# Altium PCB Motor-42.PcbDoc (continued)
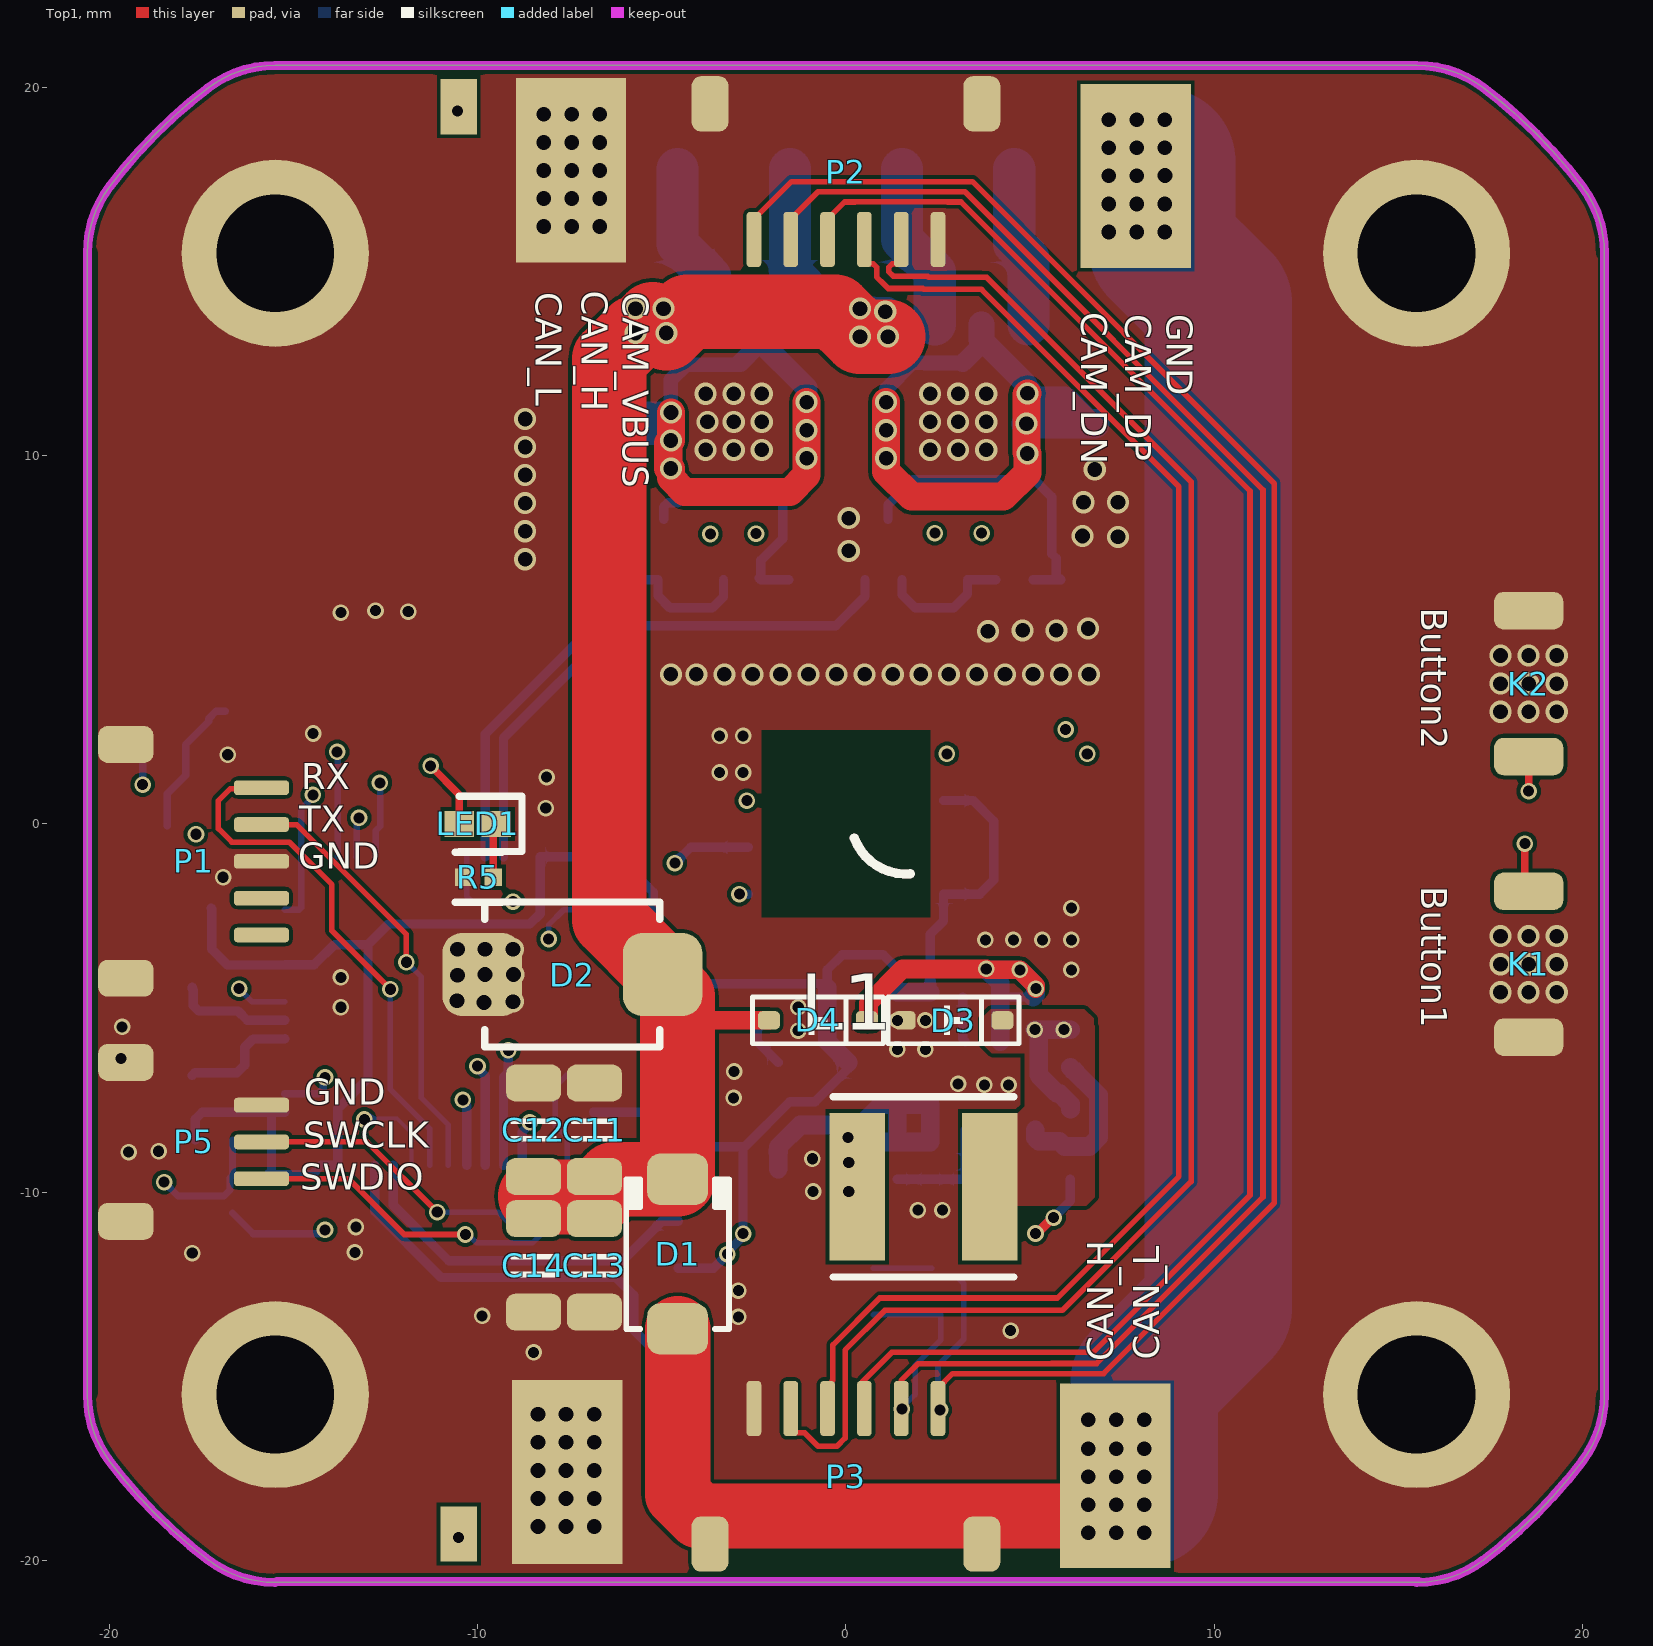
[diagram p0: Top1 view]
## Design rules (kind name [scope] priority, off if disabled: settings)
Clearance [All] p1: gap=0.102 ignorepadtopadclearanceinfootprint=FALSE except(0: Arc-Hole Track-Hole SMDPad-Hole THPad-Hole Via-Hole Fill-Hole Poly-Hole Region-Hole Text-Hole; 0.12: Track-Track; 0.127: SMDPad-SMDPad; 0.2: Track-SMDPad; 0.254: Track-Via Via-Via)
ComponentClearance [All] p1: gap=0 collisioncheckmode=3 verticalgap=0 showdistances=FALSE
DiffPairsRouting [All] p1: maxlimit=0.18 minlimit=0.18 mostfreqgap=0.18 toplayer_minwidth=0.152 toplayer_maxwidth=0.152 toplayer_prefwidth=0.152 midlayer1_minwidth=0.152 midlayer1_maxwidth=0.152 midlayer1_prefwidth=0.152 midlayer2_minwidth=0.152 midlayer2_maxwidth=0.152 midlayer2_prefwidth=0.152 bottomlayer_minwidth=0.152 bottomlayer_maxwidth=0.152 bottomlayer_prefwidth=0.152 maxuncoupledlength=12.7
FanoutControl Fanout_BGA [All] p1: bgadir=Out bgaviamode=Centered fanoutstyle=Auto fanoutdirection=Alternating viagrid=0.025 // Fanout_BGA (Default Rule)
HoleSize [All] p1: absolutevalues=TRUE maxlimit=254 minlimit=0.3 maxpercent=80.000 minpercent=20.000
MinimumSolderMaskSliver [All] p1 off: minsoldermaskwidth=0.051
PlaneClearance [All] p1: clearance=0.203
PlaneConnect [All] p1: planeconnectstyle=Direct reliefexpansion=0.508 reliefentries=4 reliefconductorwidth=0.254 reliefairgap=0.254
PolygonConnect [All] p1: connectstyle=Direct reliefconductorwidth=0.254 reliefentries=4 polygonreliefangle="90 Angle" airgapwidth=0.254
RoutingVias [All] p1: holewidth=0.203 width=0.406 viastyle="Through Hole" minholewidth=0.152 minwidth=0.305 maxholewidth=0.711 maxwidth=1.27
SilkToSilkClearance [All] p1: silktosilkclearance=0
SilkToSolderMaskClearance [IsPad] p1: minsilkscreentomaskgap=0 clearancetoexposedcopper=TRUE
SolderMaskExpansion [All] p1: expansion=0.076 istentingtop=FALSE
Width GND [(InNet('AGND') OR InNet('GND'))] p1: maxlimit=1.27 minlimit=0.102 preferedwidth=0.254
Width VCC [(InNet('VDD_SYS_3.3V') OR InNet('VDD_AV_3.3V') OR InNet('VDD_5V') OR InNet('VDD1V2-SYS') OR InNet('VDD1V1-EPHY') OR InNet('VDD-CPUX') OR InNet('VDD-CPUS') OR InNet('VDD-CPUFB') OR InNet('VCC-DRAM'))] p2: maxlimit=1.27 minlimit=0.102 preferedwidth=0.254
Width [All] p3: maxlimit=254 minlimit=0.102 preferedwidth=0.102
21 further rules are at their usual default settings.

## Classes and differential pairs
component class Port: C10 K1 K2 P1 P2 P3 P5 R12 U5
component class MCU: C6 C7 C8 C9 LED1 Q1 R4 R5 R9 R10 U3 Y1
component class Drive: C1 C2 C4 C5 R1 R2 R3 R6 R7 R8 U1 U2
component class Power: C11 C12 C13 C14 C15 C16 C17 C18 C19 C20 C21 C22 C23 D1 D2 D3 D4 L1 R13 R14 R15 U6 U7
differential pair CAM_D: +CAM_D_P -CAM_D_N

## Components (designator, comment, footprint, x,y, rotation, side; value= is the part's Value field where it differs from the comment)
C1 "0.1uF" CAP_0402 2.794,6.629 r0 bottom value=0.1u
C2 "0.1uF" CAP_0402 6.35,6.629 r180 bottom value=0.1u
C4 "0.1uF" CAP_0402 -4.597,6.629 r180 bottom value=0.1u
C5 "0.1uF" CAP_0402 -1.041,6.629 r180 bottom value=0.1u
C6 "0.1uF" CAP_0402 -15.672,-10.008 r90 bottom value=0.1u
C7 "0.1uF" CAP_0402 -17.755,-2.286 r0 bottom value=0.1u
C8 "0.1uF" CAP_0402 -4.826,-7.823 r180 bottom value=0.1u
C9 "0.1uF" CAP_0402 -17.17,-9.55 r0 bottom value=0.1u
C10 "10uF" CAP_0402 5.588,-9.652 r0 bottom value=0.1u
C11 "100uF" 1206-CAP -6.833,-8.306 r270 top value=0.1u
C12 "100uF" 1206-CAP -8.484,-8.306 r270 top value=0.1u
C13 "100uF" 1206-CAP -6.833,-11.989 r90 top value=0.1u
C14 "100uF" 1206-CAP -8.484,-11.989 r90 top value=0.1u
C15 "0.1uF" CAP_0402 6.096,-6.096 r270 bottom value=0.1u
C16 "100pF" CAP_0402 1.397,-9.144 r270 bottom value=0.1u
C17 "0.1uF" CAP_0402 6.096,-8.255 r270 bottom value=0.1u
C18 "0.1uF" CAP_0402 1.397,-7.112 r270 bottom value=0.1u
C19 "10uF" CAP_0402 2.286,-7.112 r270 bottom value=0.1u
C20 "10uF/50V" CAP_0402 5.588,-4.699 r180 bottom value=0.1u
C21 "0.1uF" CAP_0402 0,-4.445 r180 bottom value=0.1u
C22 "10uF" CAP_0402 0,-5.334 r180 bottom value=0.1u
C23 "10nF" CAP_0402 -1.905,-5.334 r180 bottom value=0.1u
C24 "10uF" CAP_0402 1.397,-5.08 r90 bottom value=0.1u
C25 "0.1uF" CAP_0402 2.286,-5.08 r90 bottom value=0.1u
D1 "SS54" DO-214AC -4.572,-11.684 r90 top
D2 "SMBJ28CA" SMBJ-CA_MFG -7.431,-4.089 r0 top
D3 "二极管-5819W" SOD-323 2.921,-5.334 r0 top
D4 "二极管-5819W" SOD-323 -0.762,-5.334 r0 top
K1 "TACT 2P" ButtonTACT_3x4x2_180 18.542,-3.81 r90 top value=3x4
K2 "TACT 2P" ButtonTACT_3x4x2_180 18.542,3.81 r270 top value=3x4
L1 "NR5040T150M" NR5040T150M 2.108,-9.855 r180 top
LED1 "SML-P12PTT86R" LEDC1006X25N -10,0 r180 top
P1 "SH1.0-5P" SH1.0-5P -15.875,-1.016 r270 top
P2 "SH1.0-6P" SH1.0-6P 0,15.875 r180 top
P3 "SH1.0-6P" SH1.0-6P 0,-15.875 r0 top
P5 "SH1.0-3P" SH1.0-3P -15.875,-8.636 r270 top
Q1 "S8050" SOT95P240X115-3N -17.958,2.108 r180 bottom
R1 "1K" RES_0402 1.016,6.629 r0 bottom value=22R
R2 "1K" RES_0402 4.572,6.629 r0 bottom value=22R
R3 "0.1R" 1206-RES 6.807,9.525 r270 bottom value=22R
R4 "0402-12k-1%" FP-CRCW0402-e3-IPC_C -18.034,-0.051 r180 bottom
R5 "0402-12k-1%" FP-CRCW0402-e3-IPC_C -9.982,-1.448 r0 top
R6 "1K" RES_0402 -6.375,6.629 r0 bottom value=22R
R7 "1K" RES_0402 -2.819,6.629 r0 bottom value=22R
R8 "0.1R" 1206-RES -6.782,9.474 r270 bottom value=22R
R9 "10K" RES_0402 -17.17,-10.668 r180 bottom value=22R
R10 "10K" RES_0402 -17.17,-8.585 r180 bottom value=22R
R12 "120R" RES_0402 2.591,-12.802 r90 bottom value=22R
R13 "10K" RES_0402 2.286,-9.144 r90 bottom value=22R
R14 "1.8K" RES_0402 3.683,-9.652 r180 bottom value=22R
R15 "1M" RES_0402 3.683,-4.699 r180 bottom value=22R
U1 "TB67H450FNG" SO-8-PAD 3.048,10.922 r90 bottom locked
U2 "TB67H450FNG" SO-8-PAD -3.048,10.922 r90 bottom locked
U3 "STM32F103CBT6" LQFP-48 -11.049,-5.08 r0 bottom locked
U5 "SN65HVD232D" SO-8 -1.905,-12.7 r0 bottom
U6 "ME3116" SOT23-6 4.191,-7.112 r90 bottom
U7 "LP2992 3V3" SOT23-5 -0.889,-7.874 r90 bottom
U8 "MT6816" SO-8 0,0 r180 bottom
Y1 "CSTCE12M0G52-R0" CSTCE12M0G52R0 -18.009,-5.613 r90 bottom

## Footprints (in the part's own frame and the unit in brackets; to place one, negate y for a bottom-side part, rotate by r counter-clockwise, add the part's x,y. Pads: shape width x height; smd on the part's side, far side on the other; paste and mask are expansions set on the pad)
1206-CAP [mm]
  rrect50% 1x1.5 smd: 1(-1.27,0) 2(1.27,0)
  silkscreen extent -0.3,-0.61 0.3,0.61, body extent -1.5,-0.75 1.5,0.75, height 1.5
1206-RES [mm]
  rrect50% 0.956x1.61 smd paste+0 mask+0: 1(-1.301,0) 2(1.301,0)
  silkscreen extent -0.52,-0.85 0.52,0.85, body extent -1.55,-0.77 1.55,0.77, height 0.65
ButtonTACT_3x4x2_180 [mil]
  rrect50% 40x74 smd: 1(-78,0) 2(78,0)
  body extent -79,-49 79,49, height 63
CAP_0402 [mil]
  rrect50% 20x20 smd: 1(-20,0) 2(20,0)
  silkscreen extent -6,-9 6,9, body extent -20,-10 20,10, height 20
CSTCE12M0G52R0 [mm]
  rect 0.4x1.9 smd: 1(-1.2,0) 2(0,0) 3(1.2,0)
  silkscreen extent -1.25,1.4 -1.15,1.5
DO-214AC [mil] "SMA"
  rrect50% 55x65 smd: 1(-80,0) 2(80,0)
  silkscreen extent -80,-55 80,55, body extent -98,-53 98,53, height 85
FP-CRCW0402-e3-IPC_C [mm]
  rect 0.468x0.472 smd paste+0 mask+0: 1(-0.402,0) 2(0.402,0)
  silkscreen extent -0.64,-0.67 0.64,0.67, body extent -0.5,-0.25 0.5,0.25, height 0.4
LEDC1006X25N [mm]
  rect 0.8x0.7 smd: 1(-0.5,0) 2(0.5,0)
  silkscreen extent -1.2,-0.75 0.5,0.75
LQFP-48 [mil]
  oval 54x12 smd: 1(-165,108.27) 2(-165,88.58) 3(-165,68.9) 4(-165,49.21) 5(-165,29.53) 6(-165,9.84) 7(-165,-9.84) 8(-165,-29.53) 9(-165,-49.21) 10(-165,-68.9) 11(-165,-88.58) 12(-165,-108.27) 25(165,-108.27) 26(165,-88.58) 27(165,-68.9) 28(165,-49.21) 29(165,-29.53) 30(165,-9.84) 31(165,9.84) 32(165,29.53) 33(165,49.21) 34(165,68.9) 35(165,88.58) 36(165,108.27)
  oval 12x54 smd: 13(-108.27,-165) 14(-88.58,-165) 15(-68.9,-165) 16(-49.21,-165) 17(-29.53,-165) 18(-9.84,-165) 19(9.84,-165) 20(29.53,-165) 21(49.21,-165) 22(68.9,-165) 23(88.58,-165) 24(108.27,-165) 37(108.27,165) 38(88.58,165) 39(68.9,165) 40(49.21,165) 41(29.53,165) 42(9.84,165) 43(-9.84,165) 44(-29.53,165) 45(-49.21,165) 46(-68.9,165) 47(-88.58,165) 48(-108.27,165)
  silkscreen extent -115,-115 115,115, body extent -177,-177 177,177, height 61
NR5040T150M [mm]
  rect 1.5x4 smd: 1(-1.8,0) 2(1.8,0)
  silkscreen extent -2.45,-2.45 2.45,2.45, body extent -2.45,-2.45 2.45,2.45, height 4.1
RES_0402 [mil]
  rrect50% 20x20 smd: 1(-20,0) 2(20,0)
  silkscreen extent -6,-10 6,10, body extent -20,-10 20,10, height 14
SH1.0-3P [mm]
  rrect50% 0.4x1.5 smd: 1(-1,0) 2(0,0) 3(1,0)
  rrect50% 1x1.5 smd: SH1(-2.159,-3.683) SH2(2.159,-3.683)
  body extent -2.5,-4.42 2.5,0.54, height 3.06
SH1.0-5P [mm]
  rrect50% 0.4x1.5 smd: 1(-2,0) 2(-1,0) 3(0,0) 4(1,0) 5(2,0)
  rrect50% 1x1.5 smd: SH1(-3.175,-3.683) SH2(3.175,-3.683)
  body extent -3.5,-4.42 3.5,0.54, height 3.06
SH1.0-6P [mm]
  rrect50% 0.4x1.5 smd: 1(-2.5,0) 2(-1.5,0) 3(-0.5,0) 4(0.5,0) 5(1.5,0) 6(2.5,0)
  rrect50% 1x1.5 smd: SH1(-3.691,-3.683) SH2(3.691,-3.683)
  body extent -4,-4.42 4,0.54, height 3.14
SMBJ-CA_MFG [mm]
  rrect50% 2.16x2.26 smd paste+0 mask+0: 1(-2.45,0) 2(2.45,0)
  silkscreen extent -2.37,-1.97 2.37,1.97, body extent -2.7,-1.81 2.7,1.81, height 2.62
SO-8 [mm]
  oval 1.3x0.5 smd: 1(-2.65,1.905) 2(-2.65,0.635) 3(-2.65,-0.635) 4(-2.65,-1.905) 5(2.65,-1.905) 6(2.65,-0.635) 7(2.65,0.635) 8(2.65,1.905)
  silkscreen extent -2.77,-2.5 1.2,2.93, body extent -2.89,-2.44 2.89,2.46, height 1.45
SO-8-PAD [mm]
  oval 1.3x0.5 smd: 1(-2.65,1.905) 2(-2.65,0.635) 3(-2.65,-0.635) 4(-2.65,-1.905) 5(2.65,-1.905) 6(2.65,-0.635) 7(2.65,0.635) 8(2.65,1.905)
  rrect50% 2.3x2.3 smd: 9(0,0)
  silkscreen extent -2.77,2.68 -2.53,2.93, body extent -2.89,-2.44 2.89,2.46, height 1.45
SOD-323 [mm]
  rrect50% 0.6x0.5 smd: 1(-1.329,0) 2(1.329,0)
  silkscreen extent -1.78,-0.64 1.78,0.64, body extent -1.3,-0.68 1.3,0.67, height 1.15
SOT23-5 [mm] "SOT23, 3-Leads, Body 3.1x3.0mm (max), Pitch 0.95mm, IPC Medium Density"
  rrect50% 0.889x0.6 smd: 1(-1.5,0.95) 2(-1.5,0) 3(-1.5,-0.95) 4(1.396,-0.95) 5(1.396,0.95)
  silkscreen extent -0.2,-1.55 0.9,1.55, body extent -1.48,-1.45 1.32,1.45, height 1.2
SOT23-6 [mm]
  rrect50% 1.3x0.7 smd: 1(-1.2,0.95) 2(-1.2,0) 3(-1.2,-0.95) 4(1.2,-0.95) 5(1.2,0) 6(1.2,0.95)
  silkscreen extent -1.32,1.73 -1.08,1.98, body extent -1.4,-1.45 1.4,1.45, height 1.45
SOT95P240X115-3N [mm]
  rect 1.1x0.6 smd: 1(-1.1,0.95) 2(-1.1,-0.95) 3(1.1,0)
  silkscreen extent -1.65,-1.45 0.2,1.5, body extent -1.2,-1.45 1.2,1.45, height 1.15

## Part data
C1 C2 C4 C5 C6 C7 C8 C9 C10 C15 C16 C17 C18 C19 C20 C21 C22 C23 C24 C25: library part 电容-0402, "Capacitor"
C11 C12 C13 C14: library part 电容-1206, "Capacitor"
D1: library part Diode_SMA, "Diode", Type=SMA
D3 D4: "40V"
K1 K2: library part ButtonTACT_3x4x2_180, "Button", Type="TACT 2P"
L1: "Inductor", Manufacturer_Name="TAIYO YUDEN", Mouser Part Number=963-NR5040T150M, Arrow Part Number=NR5040T150M, Arrow Price/Stock=https://www.arrow.com/en/products/nr5040t150m/taiyo-yuden, Datasheet Link=https://www.arrow.com/en/products/nr5040t150m/taiyo-yuden, Height=4mm, Manufacturer_Part_Number=NR5040T150M, Mouser Price/Stock=https://www.mouser.co.uk/ProductDetail/TAIYO-YUDEN/NR5040T150M?qs=PzICbMaShUfy55J2e2ZihQ%3D%3D
LED1: "LED", Manufacturer_Name="ROHM Semiconductor", Mouser Part Number=755-SML-P12PTT86R, Datasheet Link=https://componentsearchengine.com/Datasheets/2/SML-P12PTT86R.pdf, Height=0.25mm, Manufacturer_Part_Number=SML-P12PTT86R, Mouser Price/Stock=https://www.mouser.co.uk/ProductDetail/ROHM-Semiconductor/SML-P12PTT86R?qs=Ei%2Fnxee9QYifz6HhDm1g1Q%3D%3D
P5: "Header"
Q1: "Transistor", Manufacturer_Name="Yenji Elec", Datasheet Link=https://datasheet.lcsc.com/szlcsc/Yenji-Elec-S8050_C139514.pdf, Height=1.15mm, Manufacturer_Part_Number=S8050
R1 R2 R6 R7 R9 R10 R12 R13 R14 R15: library part 电阻-0402, "Resistor"
R3 R8: library part 电阻-1206, "Resistor"
R4 R5: library part CMP-2002-08122-2, "RES Thick Film, 0Ω, 0.063W, 0402", Case Code (Imperial)=0402, Case Code (Metric)=1005, Max Operating Temperature=155°C, Max Power Dissipation=63mW, Min Operating Temperature=-55°C, Package Quantity=1, Resistance=0mR, Temperature Coefficient=100ppm/°C, Tolerance=5%, Voltage Rating=50V, Case/Package=0402, Composition="Thick Film", Contact Plating=Tin, Depth=0.5mm, Features="Automotive AEC-Q200", Height=0.35mm, Lead Free="Lead Free", Length=1mm, Military Standard=Not, Mount="Surface Mount", Number of Terminations=2, Packaging="Tape and Reel", Power Rating=63mW, Radiation Hardening=No, Termination=SMD/SMT, Voltage Rating (DC)=50V, Weight=2.3E-05oz, Width=0.5mm
U1 U2: "PWM Chopper Type DC Brushed Motor Driver"
U3: "ARM Cortex-M3 32-bit MCU, 128 KB Flash, 20 KB Internal RAM, 37 I/Os, 48-pin LQFP, -40 to 85 degC, Tray", I/Os (High Current)=37, Operating Frequency(F) (Processor speed) (MHz)=72, Supplier Part Number 1=497-6288-ND, Supply Voltage(Vcc) min (V)=2, A/D Converter="2x12-bit (10 Channel)", ComponentLink1Description="Manufacturer URL", ComponentLink1URL=http://www.st.com/web/en/home.html, ComponentLink2Description=Datasheet, ComponentLink2URL=http://www.st.com/st-web-ui/static/active/en/resource/technical/document/datasheet/CD00161566.pdf, ComponentLink3Description="Package Specification", ComponentLink3URL=http://www.st.com/st-web-ui/static/active/en/resource/technical/document/datasheet/DM00058181.pdf, Core="ARM Cortex-M3", DatasheetVersion="Rev. 16", FLASH Size (Prog) (kB)=128, Internal RAM Size (kB)=20, Mounting Technology="Surface Mount", PackageDescription="48-Pin Low Profile Quad Flat Package, 7 x 7 mm Body, 0.5 mm Pitch", PackageReference=LQFP48, PackageVersion="Rev. 6, 06/2013", Packing=Tray, PartNumber=STM32F103CBT6, Supplier 1=Digi-Key, Supplier 2=Farnell, Supplier 3=Newark, Supplier 4=Newark, Supplier 5=Mouser, Supplier Part Number 2=1606327, Supplier Part Number 3=11N8296, Supplier Part Number 4=57P1214, Supplier Part Number 5=511-STM32F103CBT6
U5: Manufacturer="Texas Instruments", Manufacturer Part Number=SN65HVD232DR, Operating Temperature="-40°C ~ 85°C", Package / Case="8-SOIC (0.154\", 3.90mm Width)", Supplier Device Package=8-SOIC, Supplier Part Number 1=296-26344-2-ND, Voltage - Supply="3 V ~ 3.6 V", Category="Integrated Circuits (ICs)", ComponentLink1Description=http://www.ti.com/lit/ds/symlink/sn65hvd230.pdf, ComponentLink1URL=http://www.ti.com/lit/ds/symlink/sn65hvd230.pdf, Data Rate=1Mbps, Duplex=Half, Mounting Type="Surface Mount", Number of Drivers/Receivers=1/1, Packaging="Tape & Reel (TR)", Part Status=Active, Pricing 1="2500=0.84375 (USD)", Pricing 2="1=2.05, 10=1.842, 100=1.4809, 500=1.21668, 1000=1.00811 (USD)", Protocol=CAN, RoHS="RoHS Compliant", Stock=5000, Supplier 1=Digi-Key, Supplier 2=Digi-Key, Supplier Part Number 2=296-26344-1-ND, Type=Transceiver
U6: "DC-DC"
U7: library part LP2992, "LDO"
U8: "Magnetic Position Sensor"
Y1: "Crystal or Oscillator", Manufacturer_Name="Murata Electronics", Mouser Part Number=81-CSTCE12M0G52-R0, Arrow Part Number=CSTCE12M0G52-R0, Arrow Price/Stock=https://www.arrow.com/en/products/cstce12m0g52-r0/murata-manufacturing, Datasheet Link=https://www.murata.com/en-global/products/productdata/8801428045854/SPEC-CSTNE12M0G520000R0.pdf, Height=0.8mm, Manufacturer_Part_Number=CSTCE12M0G52-R0, Mouser Price/Stock=https://www.mouser.co.uk/ProductDetail/Murata-Electronics/CSTCE12M0G52-R0?qs=krk%2F6UQjCzAB%2F8ExIYkEwQ%3D%3D

## Free pads (board coordinates)
  rect 1x1.5 smd paste+0 mask+0.1: 2(-10.514,-19.281) 2(-10.514,19.479)
  rect 3x5 smd paste+0 mask+0.1: 2(-7.569,-17.602) 2(-7.468,17.755) 2(7.315,-17.704) 2(7.874,17.602)
  round 5.08 hole 3.2: ""(-15.5,-15.5) ""(-15.5,15.5) ""(15.5,-15.5) ""(15.5,15.5)
  rrect50% 2.032x5.08 smd far side: ""(-4.572,17.78) ""(-1.524,17.78) ""(1.524,17.78) ""(4.572,17.78)

## Via types
v1: diameter 0.6, hole 0.4, Top1 to Bottom4, tented both sides, 158 vias
v2: diameter 0.45, hole 0.3, Top1 to Bottom4, tented both sides, 97 vias

## Nets (pads, with @x,y where several pads share a name; then routed paths per layer and width w, separated by ;. In a path a pad name is that pad's centre, name@x,y a point inside that pad or via, vN(x,y) a via of type N, cw(c..) or ccw(c..) an arc to the next point about the centre after c; other vN are vias at no path point)
ADC_ENC: U3.16
BUTTON_1: K1.2 U3.25 | length 34.7
  Top1 w0.102: K1.2@18.44,-1.727 K1.2
  Top1 w0.2: K1.2@18.44,-1.727 v2(18.44,-0.533)
  Signal2 w0.2: v2(-8.077,-3.124) -8.077,-1.295 -3.81,2.972 4.572,2.972 5.639,1.905 v2(6.553,1.905)
  Gnd3 w0.2: v2(6.553,1.905) 16.002,1.905 v2(18.44,-0.533)
  Bottom4 w0.15: v2(-8.077,-3.124) -8.077,-2.743 -7.664,-2.33 U3.25
BUTTON_2: K2.2 U3.20 | length 34.4
  Top1 w0.2: v2(18.542,0.889) K2.2
  Signal2 w0.2: v2(-9.042,-2.112) -9.042,-2.044 -8.918,-1.92 -8.918,-1.603 -3.988,3.327 5.148,3.327 5.91,2.565 v2(5.969,2.565)
  Gnd3 w0.2: v2(5.969,2.565) 16.866,2.565 v2(18.542,0.889)
  Bottom4 w0.15: U3.20 -10.299,-1.969 -10.156,-2.112 v2(-9.042,-2.112)
CAM_D_N: P2.3 P3.3 | length 43.6
  Top1 w0.152: P3.3 -0.391,-15.766 -0.391,-15.147 -0.356,-15.112 -0.356,-14.15 0.918,-12.876 5.742,-12.876 9.042,-9.576 9.042,9.157 3.682,14.517 2.107,14.517 2.081,14.543 1.149,14.543 1.041,14.651 0.834,14.858 0.834,15.121 0.739,15.216 0.622,15.216 0.5,15.338 P2.3
CAM_D_P: P2.2 P3.2 | length 46.7
  Top1 w0.152: P3.2 -1.5,-16.327 -1.378,-16.449 -1.378,-16.534 -1.122,-16.534 -0.756,-16.901 -0.244,-16.901 -0.024,-16.681 -0.024,-14.288 1.056,-13.208 5.88,-13.208 9.374,-9.713 9.374,9.295 3.82,14.849 3.692,14.849 3.688,14.853 2.76,14.853 2.756,14.849 2.244,14.849 2.218,14.875 1.286,14.875 1.166,14.995 1.166,15.121 1.261,15.216 1.378,15.216 1.5,15.338 P2.2
CAM_VBUS: P2.4 P3.4 | length 48
  Top1 w0.152: P2.4 -0.5,16.425 -0.034,16.891 0.234,16.891 0.244,16.901 2.756,16.901 2.766,16.891 3.124,16.891 10.973,9.042 10.973,-10.084 6.706,-14.351 1.245,-14.351 0.46,-15.135 P3.4@0.46,-15.912
CAN_H: P2.5 P3.5 R12.1 U5.7 | length 53.7
  Top1 w0.152: P2.5 -1.5,16.425 -0.752,17.173 3.227,17.173 11.328,9.072 11.328,-10.135 6.808,-14.655 5.588,-14.655 1.964,-14.656 1.5,-15.119 P3.5
  Bottom4 w0.152: U5.7 0.758,-13.322 2.578,-13.322 2.578,-14.008 1.88,-14.707 1.88,-15.495 v2@1.5,-15.875
  other v2: 1.519,-15.889
CAN_L: P2.6 P3.6 R12.2 U5.6 | length 55.8
  Top1 w0.152: P2.6 -2.5,16.425 -1.479,17.446 3.433,17.446 11.633,9.246 11.633,-10.294 7,-14.928 5.701,-14.928 ; P3.6 2.5,-15.325 2.897,-14.928 5.7,-14.928
  Bottom4 w0.152: U5.6 2.332,-12.065 ; v2@2.5,-15.875 2.5,-14.696 3.2,-13.995 3.2,-12.483 3.019,-12.302 R12.2@2.591,-12.302
  other v2: 2.56,-15.915
CAN_RX: U3.45 U5.4 | length 9.9
  Bottom4 w0.254: U3.45 -12.299,-10.349 -10.786,-11.862 -6.071,-11.862 -5.004,-10.795 U5.4
CAN_TX: U3.46 U5.1 | length 11.7
  Bottom4 w0.254: U3.46 -12.799,-10.518 -10.998,-12.319 -6.248,-12.319 -5.766,-12.802 -5.766,-13.741 -4.902,-14.605 U5.1
GND: C1.1 C2.1 C4.1 C5.1 C6.1 C7.1 C8.1 C9.1 C10.1 C11.1 C12.1 C13.1 C14.1 C18.1 C19.1 C20.1 C21.1 C22.1 C23.1 C24.1 C25.1 D2.1 D3.1 K1.1 K2.1 P1.3 P1.SH1 P1.SH2 P2.1 P2.SH1 P2.SH2 P3.1 P5.1 P5.SH1 P5.SH2 pad.2@-7.468,17.755 pad.2@-7.569,-17.602 pad.@15.5,15.5 pad.@15.5,-15.5 pad.@-15.5,15.5 pad.@-15.5,-15.5 Q1.2 R3.2 R5.1 R8.2 R9.2 R14.1 U1.1 U1.9 U2.1 U2.9 U3.8 U3.23 U3.35 U3.47 U5.2 U6.2 U7.2 U8.8 Y1.2
  other v1: -8.362,-19.082 -7.6,-19.082 -6.838,-19.082 -8.362,-18.32 -7.6,-18.32 -6.838,-18.32 -8.362,-17.558 -7.6,-17.558 -6.838,-17.558 -8.362,-16.796 -7.6,-16.796 -6.838,-16.796 -8.362,-16.034 -7.6,-16.034 -6.838,-16.034 -9.83,-4.851 -9.042,-4.826 -10.566,-4.801 17.78,-4.572 18.542,-4.572 19.304,-4.572 -10.547,-4.106 -9.806,-4.089 -9.032,-4.089 17.78,-3.81 18.542,-3.81 19.304,-3.81 -10.547,-3.404 -9.804,-3.404 -9.042,-3.404 17.78,-3.048 18.542,-3.048 19.304,-3.048 17.78,3.048 18.542,3.048 19.304,3.048 17.78,3.81 18.542,3.81 19.304,3.81 -4.755,4.064 -4.064,4.064 -3.302,4.064 -2.54,4.064 -1.778,4.064 -1.016,4.064 -0.254,4.064 0.508,4.064 1.27,4.064 2.032,4.064 2.794,4.064 3.556,4.064 4.318,4.064 5.08,4.064 5.842,4.064 6.604,4.064 17.78,4.572 18.542,4.572 19.304,4.572 3.861,5.232 4.801,5.258 5.715,5.258 6.579,5.309 -8.712,7.188 0.076,7.417 7.391,7.798 6.426,7.823 -8.712,7.95 0.076,8.306 -8.712,8.712 6.452,8.738 7.391,8.738 -8.712,9.474 6.756,9.627 -3.81,10.16 -3.048,10.16 -2.286,10.16 2.286,10.16 3.048,10.16 3.81,10.16 -8.712,10.236 -3.758,10.922 -3.048,10.922 -2.286,10.922 2.286,10.922 3.048,10.922 3.81,10.922 -8.712,10.998 -3.81,11.684 -3.048,11.684 -2.286,11.683 2.286,11.684 3.048,11.684 3.81,11.684 -8.21,16.224 -7.448,16.224 -6.686,16.224 -8.21,16.986 -7.448,16.986 -6.686,16.986 -8.21,17.748 -7.448,17.748 -6.686,17.748 -8.21,18.51 -7.448,18.51 -6.686,18.51 -8.21,19.272 -7.448,19.272 -6.686,19.272
  other v2: -8.484,-14.351 4.47,-13.763 -2.921,-13.386 -9.881,-13.36 -2.921,-12.675 -17.755,-11.659 -13.335,-11.633 -13.31,-10.947 1.956,-10.49 2.616,-10.49 -0.889,-9.982 -0.914,-9.093 -19.482,-8.915 -18.669,-8.89 -3.048,-7.442 3.759,-7.087 4.42,-7.087 3.048,-7.061 -3.038,-6.724 -19.685,-6.375 1.397,-6.121 2.159,-6.121 -1.295,-5.613 -19.66,-5.512 1.397,-5.334 2.159,-5.334 -13.716,-4.978 -1.295,-4.978 -13.716,-4.166 6.121,-3.962 3.785,-3.15 4.547,-3.15 5.334,-3.15 6.121,-3.15 6.121,-2.286 -16.916,-1.448 -8.153,0.432 -8.128,1.27 -3.429,1.397 -2.794,1.397 -16.789,1.88 -3.429,2.393 -2.794,2.393 -14.468,2.456 -13.716,5.74 -11.887,5.766 -12.776,5.791
IN_AM: U1.2 U3.14 | length 22
  Signal2 w0.178: v2(-13.224,0.167) -12.842,0.55 -12.414,0.55 -12.09,0.873 -12.09,2.218 -8.783,5.526 1.335,5.526 3.683,7.874 v2(3.683,7.896)
  Bottom4 w0.178: U3.14 -13.291,-0.881 -13.291,0.1 v2(-13.224,0.167)
IN_AP: U1.3 U3.15 | length 20.5
  Signal2 w0.178: v2(-12.658,1.118) -12.649,1.127 -12.649,2.081 -8.906,5.824 0.363,5.824 2.413,7.874 v2(2.413,7.896)
  Bottom4 w0.178: U3.15 -12.775,-0.865 -12.775,-0.186 -12.649,-0.061 -12.649,1.108 v2(-12.658,1.118)
IN_BM: U2.2 U3.12 | length 19.1
  Signal2 w0.178: v2(-14.478,0.787) -14.105,1.161 -13.504,1.161 -13.157,1.508 -13.157,2.195 -9.231,6.121 -4.166,6.121 -2.442,7.845 v2(-2.442,7.884)
  Bottom4 w0.178: U3.12 -14.854,-2.33 -14.795,-2.271 -14.795,0.41 -14.478,0.727 v2(-14.478,0.787)
IN_BP: U2.3 U3.13 | length 15.4
  Signal2 w0.178: v2(-13.818,1.956) -9.233,6.54 -5.016,6.54 v2(-3.683,7.874)
  Bottom4 w0.178: v2(-13.818,1.956) -13.799,1.937 U3.13
IN_PWM_A: R1.1 U3.22 | length 15.1
  Bottom4 w0.254: U3.22 -9.299,2.334 -6.248,5.385 -0.279,5.385 0.516,6.18 R1.1@0.516,6.629
IN_PWM_B: R6.1 U3.21 | length 8.7
  Bottom4 w0.254: U3.21 -9.799,2.444 -6.858,5.385 -6.858,6.604 R6.1
MT6816_AUX_CS: U3.17
MT6816_CS: U3.38 U8.1 | length 20.2
  Signal2 w0.254: v2(-8.585,-8.103) -7.899,-8.103 -3.048,-3.251 2.591,-3.251 3.226,-2.616 3.226,1.422 v2(2.743,1.905)
  Bottom4 w0.254: U3.38 -8.789,-9.261 -8.789,-8.36 -8.585,-8.156 v2(-8.585,-8.103) ; U8.1 v2(2.743,1.905)
NetC1_2: C1.2 R1.2 R2.1 | length 3.6
  Bottom4 w0.254: R1.2 1.524,6.223 1.88,5.867 2.921,5.867 3.302,6.248 C1.2 R2.1
NetC4_2: C4.2 R6.2 R7.1 | length 3.7
  Bottom4 w0.254: R6.2 C4.2 -5.105,6.198 -4.775,5.867 -3.632,5.867 -3.327,6.172 R7.1
NetC9_2: C9.2 Q1.3 R10.1 U3.7 | length 18.6
  Signal2 w0.2: v2(-19.101,1.067) -19.101,-1.854 v2(-16.481,-4.474) -16.481,-7.692 v2(-18.517,-9.728)
  Bottom4 w0.15: v2(-16.481,-4.474) -16.125,-4.83 U3.7
  Bottom4 w0.2: v2(-19.101,1.067) -19.101,2.065 Q1.3 ; v2(-18.517,-9.728) -18.14,-10.104 -16.893,-10.104 -16.729,-9.941 -16.729,-9.617 C9.2 R10.1
NetC15_1: C15.1 C17.1 D3.2 L1.1 U6.6 | length 3.5
  Bottom4 w0.508: v2(5.131,-5.588) U6.6@5.237,-5.588 ; C17.1 6.096,-7.61 5.798,-7.312 5.728,-7.312 5.237,-6.821 U6.6@5.237,-5.588 ; C15.1 U6.6@5.237,-5.588
  other v2: 5.918,-5.588
NetC15_2: C15.2 C17.2 U6.1 | length 4.4
  Bottom4 w0.508: U6.1 5.141,-8.52 5.237,-8.616 5.796,-8.616 5.944,-8.763 6.604,-8.763 6.858,-8.509 6.858,-7.366 C15.2
NetC16_2: C16.2 R13.1 R14.2 U6.3 | length 3.1
  Bottom4 w0.254: C16.2 R13.1 R14.2 3.241,-9.586 U6.3
NetC20_2: C20.2 D4.2 R15.1 U6.5 | length 10.8
  Top1 w0.508: D4.2 0.609,-5.334 0.613,-5.33 0.613,-4.869 1.545,-3.937 v2(3.81,-3.937) 3.835,-3.962 v2(4.724,-3.962) 5.156,-4.394 v2(5.156,-4.47)
  Bottom4 w0.254: R15.1 C20.2 5.119,-4.66 5.119,-4.508 v2(5.156,-4.47)
  Bottom4 w0.508: v2(3.81,-3.937) 3.883,-4.01 4.191,-4.318 R15.1 U6.5 ; v2@3.835,-3.962 v2(4.724,-3.962) 5.156,-4.394 5.156,-4.623 C20.2
NetC23_2: C23.2 U7.4 | length 1.4
  Bottom4 w0.254: C23.2 -2.413,-5.904 U7.4
NetLED1_1: LED1.1 R5.2 | length 1.5
  Top1 w0.2: R5.2 -9.58,-0.08 LED1.1
NetQ1_1: Q1.1 R4.2 | length 3.9
  Bottom4 w0.2: R4.2 -18.436,0.817 -17.932,1.321 -17.932,2.159 -17.308,2.784 -17.308,2.858 -17.108,3.058 Q1.1
NetR3_1: R3.1 U1.7 | length 21.4
  Top1 w0.762: v1(1.092,11.455) v1(1.092,10.693) v1(1.092,9.931) 1.092,9.576 1.778,8.89 4.284,8.89 4.928,9.533 v1(4.928,10.058) 4.902,10.084 v1(4.902,10.871) 4.902,11.663 v1(4.933,11.694)
  Bottom4 w0.4: v1(1.092,11.455) 1.092,11.811 1.803,12.522 2.144,12.522 ; 2.144,12.522 3.175,12.522 ; U1.7@3.664,13.138 U1.7@3.683,13.157
  Bottom4 w0.5: 3.175,12.522 U1.7@3.664,13.011
  Bottom4 w0.6: v1(1.092,9.931) v1(1.092,10.693) v1(1.092,11.455) ; U1.7@3.664,13.011 U1.7@3.664,13.138 ; U1.7@3.683,13.157 4.902,11.938 4.902,11.694 v1(4.902,10.871) 4.902,10.084 v1(4.928,10.058) ; R3.1@6.762,10.871 R3.1
  Bottom4 w0.7: U1.7@3.683,13.157 U1.7
  Bottom4 w0.8: v1(4.902,10.871) R3.1@6.435,10.871 ; v1(4.933,11.694) 5.147,11.481 5.934,11.481 6.402,11.012 6.402,10.904 R3.1@6.435,10.871 ; R3.1@6.762,10.871 R3.1@6.435,10.871
NetR8_1: R8.1 U2.7 | length 21.8
  Top1 w0.762: v1@-4.826,9.652 -4.826,10.343 v1(-4.755,10.414) -4.755,11.171 v1(-4.75,11.176) ; v1(-4.755,9.652) -4.755,9.392 -4.38,9.017 -1.524,9.017 -1.067,9.474 v1(-1.067,9.931) v1(-1.067,10.693) v1(-1.067,11.455)
  Bottom4 w0.4: v1@-4.779,10.414 v1(-4.755,10.414) ; v1@-4.774,10.374 -4.757,10.374 v1@-4.755,10.372 ; v1@-4.755,11.171 -4.755,11.176 -4.755,12.06 -4.343,12.471 -4.027,12.471 ; -4.027,12.472 -2.975,12.472 -2.921,12.526 -2.866,12.526 ; U2.7@-2.413,12.979 U2.7@-2.413,13.157
  Bottom4 w0.5: -2.866,12.526 U2.7@-2.413,12.979
  Bottom4 w0.6: R8.1 -6.455,10.775 -6.172,11.058 -6.172,11.176 -4.755,11.176 v1(-4.75,11.176) -4.755,11.171 v1(-4.755,10.414) ; v1(-4.755,9.652) v1@-4.755,10.372 ; U2.7@-2.413,13.183 -1.067,11.836 v1(-1.067,11.455) v1(-1.067,10.693) v1(-1.067,9.931)
  Bottom4 w0.7: R8.1 -6.654,10.647 -4.988,10.647 v1(-4.755,10.414) ; U2.7@-2.413,13.157 -2.413,13.183 U2.7
NetR9_1: R9.1 U3.44 | length 8.6
  Signal2 w0.2: v2(-14.148,-11.024) -13.868,-10.744 -13.868,-8.814 v2(-13.081,-8.026)
  Bottom4 w0.102: v2(-13.081,-8.026) -13.056,-8.001 -12.192,-8.001 -11.799,-8.394 U3.44
  Bottom4 w0.2: R9.1@-16.662,-10.566 -16.104,-11.125 -14.317,-11.125 -14.215,-11.024 v2(-14.148,-11.024)
NetR15_2: R15.2 U6.4 | length 1.2
  Bottom4 w0.254: R15.2 3.175,-5.846 U6.4
NetU3_5: U3.5 Y1.1 | length 3.2
  Bottom4 w0.254: Y1.1@-17.755,-6.833 -17.682,-6.76 -16.539,-6.76 -16.332,-6.553 -16.332,-6.071 -16.101,-5.84 -15.25,-5.84 U3.5
NetU3_6: U3.6 Y1.3 | length 3.2
  Bottom4 w0.254: Y1.3@-17.755,-4.433 -17.755,-4.48 -17.729,-4.506 -17.729,-4.931 -17.58,-5.08 -16.51,-5.08 -16.26,-5.33 U3.6
OLED_DC: U3.29
OLED_RES: U3.30
OUT_A+: pad.@1.524,17.78 U1.6 | length 4.6
  Bottom4 w1.143: pad.@1.524,17.78 1.524,15.875 2.413,14.986 U1.6
OUT_A-: pad.@4.572,17.78 U1.8 | length 4.4
  Bottom4 w1.143: pad.@4.572,17.78 4.572,15.748 4.953,15.367 U1.8
OUT_B+: pad.@-4.572,17.78 U2.6 | length 4.6
  Bottom4 w1.143: pad.@-4.572,17.78 -4.572,15.748 -3.683,14.859 U2.6
OUT_B-: pad.@-1.524,17.78 U2.8 | length 4.4
  Bottom4 w1.143: pad.@-1.524,17.78 -1.524,14.986 -1.143,14.605 U2.8
PA10: U3.31
PC13: LED1.2 U3.2 | length 13.1
  Top1 w0.2: v2(-11.278,1.575) -10.5,0.797 LED1.2
  Signal2 w0.2: v2(-14.148,-6.883) -14.1,-6.836 -13.901,-6.836 -11.278,-4.212 v2(-11.278,1.575)
  Bottom4 w0.2: U3.2 -14.336,-7.33 -14.196,-7.189 -14.196,-6.931 v2(-14.148,-6.883)
PC14: U3.3
PC15: U3.4
POWER_U: U3.10
RST: pad.2@-10.514,19.479 pad.2@-10.514,-19.281 R4.1 | length 44.6
  Signal2 w0.2: v2@-10.566,19.37 -10.566,12.852 -17.653,5.766 v2(-17.653,-0.279) -17.653,-1.803 -15.646,-3.81 -15.646,-11.1 -10.516,-16.231 v2@-10.516,-19.376
  other v2: -10.519,-19.376 -10.545,19.359
SPI1_MISO: U3.40 U8.6 | length 14
  Signal2 w0.254: v2(-10.008,-6.579) -10.008,-5.944 -9.601,-5.537 -7.341,-5.537 -4.648,-2.845 v2(-4.648,-1.067)
  Bottom4 w0.254: v2(-10.008,-6.579) -10.008,-6.632 -9.799,-6.84 U3.40 ; v2(-4.648,-1.067) -4.216,-0.635 U8.6
SPI1_MOSI: U3.41 U8.5 | length 12.1
  Signal2 w0.254: v2(-10.405,-7.493) -10.368,-7.455 -9.863,-7.455 -9.672,-7.264 -7.899,-7.264 -2.896,-2.261 v2(-2.896,-1.905)
  Bottom4 w0.254: v2(-10.405,-7.493) -10.405,-7.546 -10.299,-7.652 U3.41 ; v2(-2.896,-1.905) U8.5
SPI1_SCK: U3.39 U8.7 | length 13.8
  Signal2 w0.254: v2(-9.169,-6.147) -7.315,-6.147 -3.683,-2.515 -3.683,-0.356 v2(-2.692,0.635)
  Bottom4 w0.254: U3.39 -9.299,-6.88 -9.172,-6.753 -9.172,-6.149 v2(-9.169,-6.147) ; v2(-2.692,0.635) U8.7
SPI2_MISO: U3.27
SPI2_MOSI: U3.28
SPI2_SCK: U3.26
SWCLK: P5.2 U3.37 | length 10.1
  Top1 w0.15: P5.2 -13.005,-8.636 v2(-11.1,-10.541)
  Bottom4 w0.15: v2(-11.1,-10.541) -9.449,-10.541 -9.017,-10.973 -8.534,-10.973 -8.299,-10.737 U3.37
SWDIO: P5.3 U3.34 | length 14.1
  Top1 w0.15: P5.3@-16.002,-9.636 -13.511,-9.636 -11.997,-11.151 v2(-10.338,-11.151)
  Bottom4 w0.15: v2(-10.338,-11.151) -10.261,-11.151 -10.033,-11.379 -8.513,-11.379 -7.569,-10.435 -7.569,-8.509 -7.899,-8.179 -7.899,-7.137 -7.592,-6.83 U3.34
TEMP: U3.11
UART1_RX: P1.1 U3.43 | length 14.5
  Top1 w0.15: P1.1 -15.898,0.961 -16.718,0.961 -17.043,0.635 -17.043,-0.128 -16.68,-0.491 -15.12,-0.491 -13.961,-1.65 -13.961,-2.901 v2(-12.373,-4.489)
  Bottom4 w0.15: v2(-12.373,-4.489) -12.373,-7.21 -11.299,-8.284 U3.43
UART1_TX: P1.2 U3.42 | length 11.9
  Top1 w0.15: P1.2 -14.919,-0.016 -11.938,-2.997 v2(-11.938,-3.757)
  Bottom4 w0.15: v2(-11.938,-3.757) -11.532,-4.163 -11.532,-7.442 -10.799,-8.175 U3.42
USB_DM: U3.32
USB_DP: U3.33
VCC: C11.2 C12.2 C13.2 C14.2 D1.2 D2.2 D4.1 U1.5 U2.5 | length 44
  Top1 w0.5: D1.2 D1.2@-4.445,-9.652
  Top1 w0.508: -4.572,-5.791 -4.115,-5.334 D4.1
  Top1 w2.032: -8.433,-10.109 -8.407,-10.135 -6.782,-10.135 -6.299,-9.652 D1.2 -4.572,-5.791 D2.2@-4.572,-4.688 ; v1(-5.715,13.335) -6.426,12.624 -6.426,-2.594 -5.045,-3.975 -5.045,-4.075 D2.2@-4.917,-4.203 ; v1@-5.613,13.335 -5.245,13.703 ; v1(-4.877,13.335) -4.303,13.909 -0.295,13.909 v1(0.381,13.233) v1(1.143,13.233)
  Bottom4 w0.635: v1@-5.613,13.995 v1@-5.202,13.995 ; -5.292,13.335 v1(-5.715,13.335) v1(-5.715,13.995) -5.292,13.572 -5.114,13.572 v1(-4.877,13.335) U2.5@-4.953,13.411 ; U2.5@-4.953,13.695 U2.5 v1(-4.953,13.995) ; U1.5@1.143,13.995 v1(0.381,13.995) ; v1(0.381,13.995) v1(1.143,13.233) v1(0.381,13.233) v1(0.381,13.995)
  other v1: 1.068,13.913
VCC_3V3: C6.2 C7.2 C8.2 C10.2 C21.2 C22.2 C24.2 C25.2 R10.2 U3.1 U3.9 U3.24 U3.36 U3.48 U5.3 U7.5 U8.2 U8.4 | length 74.1
  Top1 w0.254: v2(5.149,-11.123) 5.179,-11.123 5.609,-10.693 v2(5.639,-10.693)
  Signal2 w0.254: v2(-3.222,-11.684) -3.222,-11.629 -2.833,-11.24 -2.833,-11.164 v2(-2.794,-11.125) v2(-2.794,-11.125) 5.148,-11.124 v2(5.149,-11.123)
  Bottom4 w0.254: R10.2@-17.67,-8.585 -17.67,-8.018 -17.482,-7.83 U3.1@-15.625,-7.83 ; C7.2 -17.221,-2.311 -17.221,-3.404 -16.795,-3.83 U3.9 -15.23,-3.82 -14.437,-3.82 -13.894,-3.277 -12.979,-3.277 ; U3.1 -15.601,-7.83 -15.601,-9.429 C6.2 -15.646,-9.525 -14.503,-9.525 -14.249,-9.271 U3.48 -13.799,-7.728 -12.979,-6.909 -12.979,-3.277 ; U3.36 -6.855,-7.827 -5.337,-7.827 C8.2 -5.334,-8.477 -5.048,-8.763 -2.794,-8.763 ; U5.3 -3.595,-12.065 -3.222,-11.691 v2(-3.222,-11.684) -3.222,-11.629 -2.833,-11.24 -2.833,-11.219 -2.824,-11.211 -2.794,-11.211 v2(-2.794,-11.125) -2.794,-8.763 ; U7.5 0.061,-6.645 -0.838,-7.544 -1.524,-7.544 -2.743,-8.763 -2.794,-8.763 ; C24.2 1.397,-3.937 1.016,-3.556 -0.102,-3.556 -0.508,-3.962 C21.2 -0.61,-4.343 -4.039,-4.343 -5.232,-3.15 -5.232,-1.854 -6.198,-0.889 U3.24 -8.299,-2.432 -8.585,-2.718 -12.421,-2.718 -12.979,-3.277 ; C25.2 2.286,-2.997 2.65,-2.633 U8.4 3.632,-1.905 4.013,-1.524 4.013,0.076 3.454,0.635 U8.2 ; v2(5.149,-11.123) 5.179,-11.123 5.609,-10.693 v2(5.639,-10.693) 6.096,-10.236 C10.2
  Bottom4 w0.508: C21.2 C22.2 -0.508,-5.909 U7.5 ; C24.2 C25.2
VCC_5V: C16.1 C18.2 C19.2 L1.2 R13.2 U7.1 U7.3 | length 13.4
  Top1 w0.508: v2(0.061,-8.519) 0.061,-9.195 0.076,-9.21 v2(0.076,-9.982)
  Bottom4 w0.508: U7.3 -1.839,-8.773 -1.245,-8.179 -0.279,-8.179 ; v2(0.076,-9.982) 0.076,-8.534 0.178,-8.636 C16.1 ; -0.279,-8.179 0.401,-8.179 ; -0.279,-8.179 v2(0.061,-8.519) 0.401,-8.179 ; 0.401,-8.179 0.96,-7.62 C18.2 ; C16.1 R13.2 C19.2 C18.2 ; C16.1 C18.2
  other v2: 0.076,-9.195
VCC_IN: D1.1 P3.SH1 P3.SH2 pad.2@7.315,-17.704 pad.2@7.874,17.602 | length 53.2
  Top1 w1.778: D1.1 -4.572,-18.212 -3.988,-18.796 pad.2@6.274,-18.796
  Bottom4 w4: 8.103,-18.161 v1(8.103,-17.729) v1(8.103,-16.967) 8.103,-15.164 10.109,-13.157 10.109,14.148 8.585,15.672 8.585,17.983
  other v1: 6.579,-19.253 7.341,-19.253 8.103,-19.253 6.579,-18.491 7.341,-18.491 8.103,-18.491 6.579,-17.729 7.341,-17.729 6.579,-16.967 7.341,-16.967 6.581,-16.184 7.343,-16.184 8.105,-16.184 7.137,16.078 7.899,16.078 8.661,16.078 7.137,16.84 7.899,16.84 8.661,16.84 7.137,17.602 7.899,17.602 8.667,17.609 7.137,18.364 7.899,18.364 8.661,18.364 7.137,19.126 7.899,19.126 8.661,19.126
VREF_A: C2.2 R2.2 U1.4 | length 8.4
  Bottom4 w0.254: U1.4 1.143,8.672 1.818,9.347 5.123,9.347 5.588,8.882 5.588,7.341 5.715,7.214 5.715,6.756 C2.2 R2.2
VREF_B: C5.2 R7.2 U2.4 | length 7.4
  Bottom4 w0.254: U2.4 -4.953,8.605 -4.839,8.719 -4.565,8.719 -4.035,9.249 -3.444,9.249 -3.441,9.246 -3.073,9.246 -3.07,9.249 -1.908,9.249 -1.72,9.061 -1.72,7.749 -2.311,7.158 R7.2 ; R7.2@-2.362,6.68 R7.2 ; C5.2 R7.2
pads on no net: P1.4 P1.5 U3.18 U3.19 U5.5 U5.8 U8.3

## Polygon pours and split planes (outlines as drawn)
NetC15_1 on Top1 "NETC15_1_L01_P009" (solid, pour order 9): 4.851,-5.283 5.029,-5.105 6.375,-5.105 6.756,-5.486 6.756,-10.135 6.528,-10.363 3.835,-10.363 3.615,-10.143 3.615,-8.119 3.861,-7.874 4.647,-7.874 4.851,-7.67
NetC15_1 on Top1 "NETC15_1_L01_P014" (solid, pour order 14): 3.708,-5.258 3.937,-5.029 6.477,-5.029 6.731,-5.283 6.731,-5.994 6.502,-6.223 3.962,-6.223 3.708,-5.969
GND on Top1 "GND_L01_P015" (solid, remove dead copper, pour order 15): 20.574,20.574 20.574,-20.574 -20.574,-20.574 -20.574,20.574
GND on Bottom4 "GND_L04_P016" (solid, remove dead copper, pour order 16): 20.574,20.574 20.574,-20.574 -20.574,-20.574 -20.574,20.574
GND on Gnd3 "GND_L03_P002" (solid, remove dead copper, pour order 2): 20.574,20.574 20.574,-20.574 -20.574,-20.574 -20.574,20.574
GND on Signal2 "GND_L02_P000" (solid, remove dead copper, pour order 0): 20.574,20.574 20.574,-20.574 -20.574,-20.574 -20.574,20.574

## Keep-outs
Keep-Out Layer:
  lines w0.254: -20.6,-15.506 ccw(c-17.6,-15.506) -19.993,-17.316 ccw(c-9,-9) -17.316,-19.993 ccw(c-15.506,-17.6) -15.506,-20.6 ; -20.6,15.506 cw(c-17.6,15.506) -19.993,17.316 cw(c-9,9) -17.316,19.993 cw(c-15.506,17.6) -15.506,20.6 15.506,20.6 cw(c15.506,17.6) 17.316,19.993 cw(c9,9) 19.993,17.316 cw(c17.6,15.506) 20.6,15.506 ; -20.597,-15.481 -20.597,15.531 ; -15.452,-20.575 15.56,-20.575 ; 15.506,-20.6 ccw(c15.506,-17.6) 17.316,-19.993 ccw(c9,-9) 19.993,-17.316 ccw(c17.6,-15.506) 20.6,-15.506 ; 20.603,-15.481 20.603,15.531

## Other copper
Top1:
  pour cut-out: -2.286,2.54 -2.286,-2.54 2.286,-2.54 2.286,2.54
Signal2:
  pour cut-out: -2.286,2.54 -2.286,-2.54 2.286,-2.54 2.286,2.54
Gnd3:
  pour cut-out: -2.286,2.54 -2.286,-2.54 2.286,-2.54 2.286,2.54
Bottom4:
  pour cut-out: -2.286,2.54 -2.286,-2.54 2.286,-2.54 2.286,2.54

## Silkscreen, mask and mechanical layers (free items; w line width, h text height)
Top Overlay:
  lines w0.254: 0.229,-0.381 ccw(c1.626,0.127) 1.749,-1.354
  text "CAN_H" at -7.405,14.487 h1.2 r270
  text "CAN_L" at -8.649,14.436 h1.2 r270
  text "CAM_VBUS" at -6.29,14.434 h1.2 r270
  text "CAM_DN" at 6.166,13.899 h1.2 r270
  text "CAM_DP" at 7.36,13.848 h1.2 r270
  text "GND" at 8.481,13.848 h1.2 r270
  text "Button2" at 15.394,5.872 h1.2 r270
  text "RX" at -14.799,0.707 h1.2
  text "TX" at -14.846,-0.437 h1.2
  text "GND" at -14.872,-1.453 h1.2
  text "Button1" at 15.394,-1.697 h1.2 r270
  text "GND" at -14.711,-7.852 h1.2
  text "SWCLK" at -14.739,-9.02 h1.2
  text "SWDIO" at -14.815,-10.163 h1.2
  text "CAN_L" at 8.74,-14.549 h1.2 r90
  text "CAN_H" at 7.495,-14.6 h1.2 r90
Top Solder:
  rectangle: -11.049,18.72 -10.008,20.269
  rectangle: -11.049,-20.041 -10.008,-18.491
  rectangle: 6.325,15.08 9.398,20.142
  rectangle: 5.835,-20.201 8.908,-15.138
  rectangle: -9.075,15.283 -6.002,20.345
  rectangle: -9.119,-20.117 -6.045,-14.961
  rectangle: 1.778,9.652 4.318,12.192
  rectangle: -4.318,9.652 -1.778,12.192
Mechanical 1:
  lines w0.254: -20.546,-15.481 ccw(c-17.546,-15.481) -19.939,-17.291 ccw(c-8.946,-8.975) -17.262,-19.968 ccw(c-15.452,-17.575) -15.452,-20.575 15.56,-20.575 ccw(c15.56,-17.575) 17.369,-19.968 ccw(c9.054,-8.975) 20.046,-17.291 ccw(c17.654,-15.481) 20.654,-15.481 20.654,15.531 ccw(c17.654,15.531) 20.046,17.34 ccw(c9.054,9.025) 17.369,20.017 ccw(c15.56,17.625) 15.56,20.625 -15.452,20.625 ccw(c-15.452,17.625) -17.262,20.017 ccw(c-8.946,9.025) -19.939,17.34 ccw(c-17.546,15.531) -20.546,15.531 -20.546,-15.481